# Altium PCB TIDA-01576_ADS8686S_ISO_Interface.PcbDoc (part 3 of 4)
Units mil, origin at the board's own origin, x right, y up, seen from the top; angles counter-clockwise.
Board outline 6102.36 x 3937.01 mil, 4 copper layers (Top Layer, VCC, GND, Bottom Layer), stack 61.6 mil thick; 358 components, 188 nets, 975 pads, 367 vias.
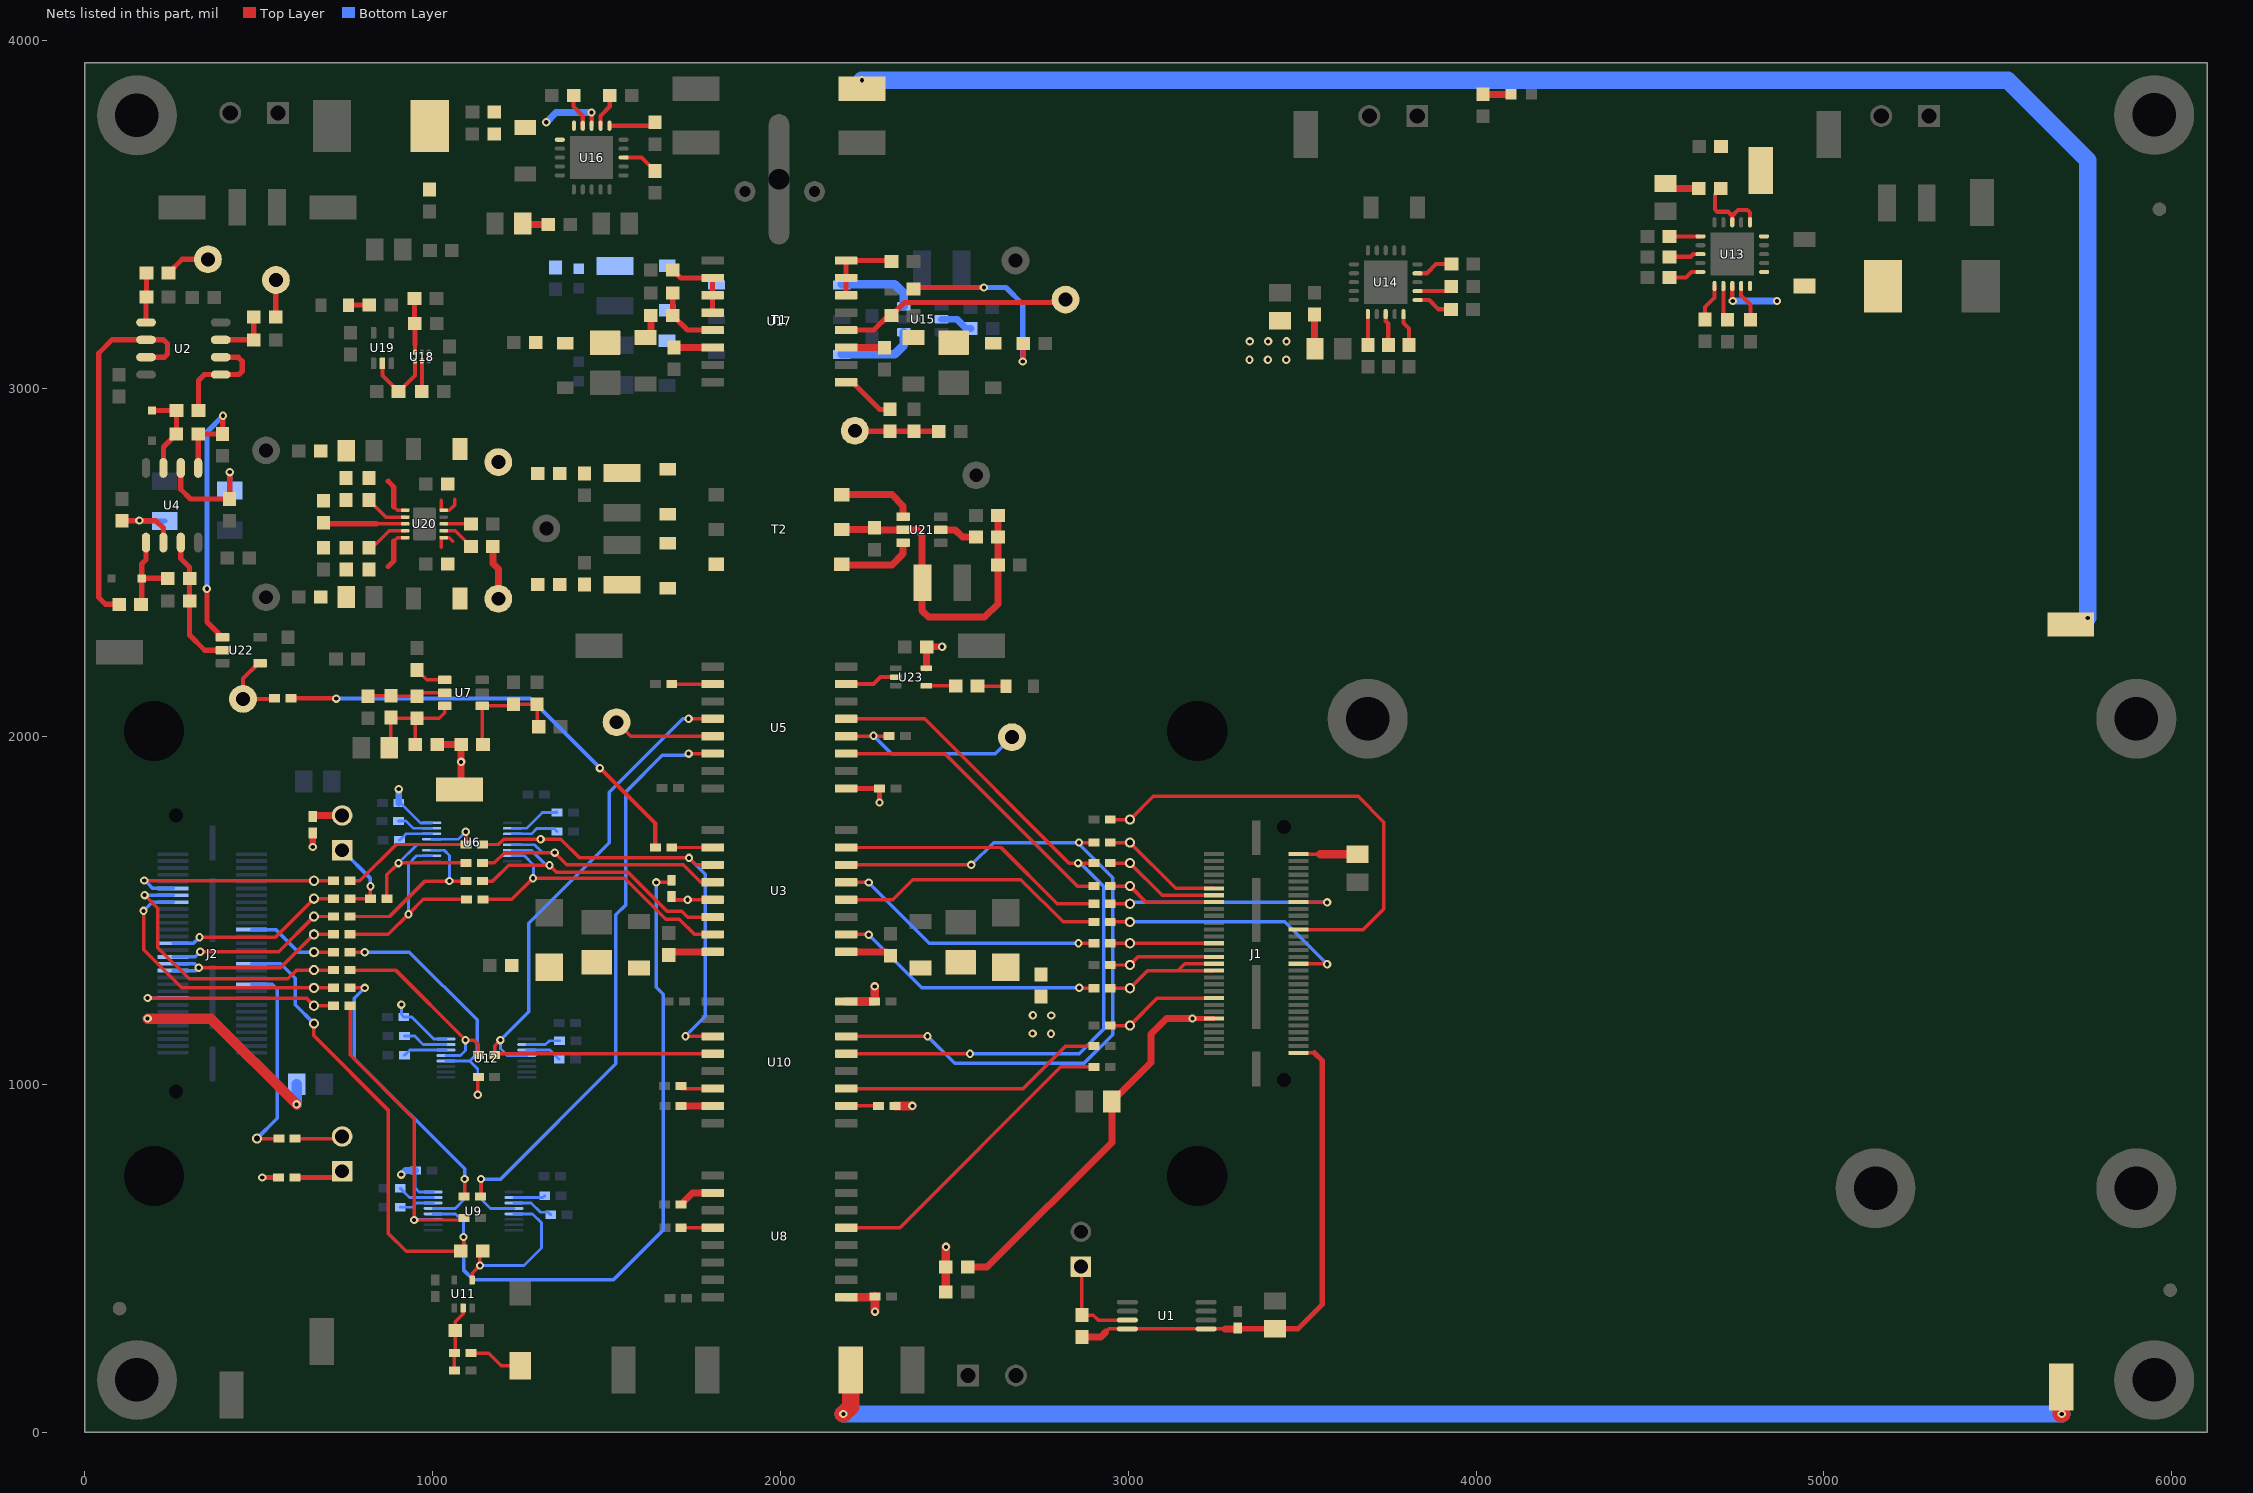
[diagram p5: the nets of this part, all layers, seen from the top]

## Via types
v1: diameter 24, hole 12, Top Layer to Bottom Layer, tented both sides, 348 vias
v2: diameter 19.68, hole 7.87, Top Layer to Bottom Layer, 19 vias

## Nets (pads, with @x,y where several pads share a name; then routed paths per layer and width w, separated by ;. In a path a pad name is that pad's centre, name@x,y a point inside that pad or via, vN(x,y) a via of type N, cw(c..) or ccw(c..) an arc to the next point about the centre after c; other vN are vias at no path point) (continued)
ISO_BUF_CSN: R30.1 U3.14 U6.6 | length 866.2
  Top Layer w10: R30.1@1143.62,1584.46 1173.52,1584.46 1218.81,1629.75 v1(1336.25,1629.75) 1357,1609 1563,1609 1674,1498 1716,1498 1733.19,1480.81 U3.14@1804.95,1480.81
  Bottom Layer w8: U6.6@1229.67,1672.88 1283.62,1672.88 1326.75,1629.75 v1(1336.25,1629.75)
ISO_BUF_SCLK: R29.1 U3.15 U6.7 | length 863.2
  Top Layer w10: R29.1@1144.56,1531.5 1227.75,1531.5 v1(1288.75,1592.5) 1552.5,1592.5 1670,1475 1709,1475 1753.19,1430.81 U3.15@1804.95,1430.81
  Bottom Layer w8: U6.7@1229.67,1657.13 1263.87,1657.13 1290.5,1630.5 1290.5,1594.25 v1(1288.75,1592.5)
ISO_BUF_SDI: R33.1 U5.14 U9.4 | length 1827.5
  Top Layer w10: R33.1@1139.37,677 v1(1139.37,727.63) ; v1(1736.19,1950.81) U5.14@1804.95,1950.81
  Bottom Layer w8: v1(1139.37,727.63) 1139.37,670.29 1166.54,643.12 U9.4@1233.92,643.12
  Bottom Layer w10: v1(1139.37,727.63) 1196,727.63 1527,1058.63 1527,1487 1556,1516 1556,1841.28 1660.72,1946 1731.38,1946 v1(1736.19,1950.81)
ISO_BUF_SDOA: R32.1 U3.11 U6.4 U10.3 | length 1414.7
  Top Layer w10: R32.1@1143.4,1689.43 1189.12,1689.43 1204.05,1704.37 v1(1310.63,1704.37) 1368.93,1704.37 1422.3,1651 v1(1737,1651) 1757.19,1630.81 U3.11@1804.95,1630.81 ; v1(1727,1138) 1805.76,1138 U10.3@1805.95,1137.81
  Bottom Layer w8: U6.4@1229.67,1704.37 v1(1310.63,1704.37)
  Bottom Layer w10: v1@1726,1138 1784,1196 1784,1604 v1(1737,1651)
ISO_BUF_SDOB: R37.1 U5.12 U10.4 U12.4 | length 2013.9
  Top Layer w10: v1(1195,1127) 1178.77,1110.77 R37.1@1178.77,1084 1182.58,1087.81 U10.4@1805.95,1087.81 ; v1(1736.19,2050.81) U5.12@1804.95,2050.81
  Bottom Layer w8: v1(1195,1127) 1195,1102.43 1214.55,1082.87 U12.4@1270.84,1082.87
  Bottom Layer w10: v1(1195,1127) 1277,1209 1277,1463 1508,1694 1508,1840 1718.81,2050.81 v1(1736.19,2050.81)
ISO_BUF_SRESETN: R96.1 U9.5 U11.4 | length 452
  Top Layer w10: U11.4@1113.5,437.5 1113.5,456.5 1136,479 v1(1136.24,479) R96.1@1136.24,520
  Bottom Layer w8: v1(1136.24,479) 1262.75,479 1313,529.25 1313,602 1287.63,627.37 U9.5@1233.92,627.37
ISO_BUF_SYSCLK: R31.1 U3.12 U6.5 | length 839.4
  Top Layer w10: R31.1@1143.74,1636.65 1177.65,1636.65 1207,1666 v1(1351,1666) 1386.19,1630.81 1721.19,1630.81 1771.19,1580.81 U3.12@1804.95,1580.81
  Bottom Layer w8: U6.5@1229.67,1688.63 1293.12,1688.63 1315.75,1666 v1(1351,1666)
ISO_BUSY: R16.1 R38.2 U12.12 | length 799.5
  Top Layer w10: R16.1@762.81,1379.86 v1(804.86,1379.86) ; v1(1129.7,970) 1129.7,1019.66 R38.2@1131.38,1021.34
  Bottom Layer w8: U12.12@1038.56,1067.13 1106.87,1067.13 ; 1128,1118 1128,1088.25 1106.87,1067.13 ; v1(1129.7,970) 1129.7,1044.3 1106.87,1067.13
  Bottom Layer w10: v1(804.86,1379.86) 933.14,1379.86 1128,1185 1128,1118
ISO_CONVST: R22.1 R34.2 U9.11 | length 894
  Top Layer w10: R22.1@762.81,1226 762.81,1084.93 947.41,900.33 947.41,610.22 v1(947,609.81) 1084.63,609.81 R34.2@1090.38,615.56
  Bottom Layer w8: v1(947,609.81) 948.81,611.63 U9.11@1001.64,611.63
ISO_CSN: R12.1 R30.2 U6.11 | length 506.4
  Top Layer w10: R12.1@762.81,1482.43 876.23,1482.43 978.26,1584.46 v1(1048.23,1584.46) R30.2@1096.38,1584.46
  Bottom Layer w8: U6.11@997.39,1672.88 1033.37,1672.88 1048.23,1658.02 v1(1048.23,1584.46)
ISO_DVDD: C4.1 C22.1 C29.1 C35.1 J2.50 R35.2 R36.2 R39.1 R41.1 TP8.1 U6.16 U9.16 U12.16 | length 1452.7
  Top Layer w15: v1(510,732) R36.2@556.76,732
  Top Layer w20: v1@605.38,945.96 v1(609,942.34) ; v1(655.39,1682.39) R35.2@655.39,1722.38 ; R41.1@1012.95,1977.55 R39.1@1082.03,1977.55 ; TP8.1@1077.75,1847.5 1082,1851.75 v1(1082,1927) R39.1@1082.03,1977.55
  Top Layer w30: v1(180.68,1189) 362.34,1189 v1(609,942.34)
  Bottom Layer w8: C22.1@902.7,1809 907.87,1809 965.26,1751.62 U6.16@997.39,1751.62 ; v1(910.25,1229) 910.25,1200.38 C35.1@917.13,1193.5 940.01,1193.5 1003.39,1130.12 U12.16@1038.56,1130.12 ; C29.1@951.16,752.25 949.97,751.06 949.97,701.13 960.73,690.37 U9.16@1001.64,690.37
  Bottom Layer w10: v1(180.68,1189) J2.50@254.21,1189
  Bottom Layer w20: C22.1@902.7,1809 v1(902.7,1848.67) ; v1(909.78,740.25) 921.78,752.25 C29.1@951.16,752.25
  Bottom Layer w30: v1(609,942.34) C4.1@609,1000
ISO_SCLK: R14.1 R29.2 U6.10 | length 597.2
  Top Layer w10: R14.1@762.81,1431.14 872.74,1431.14 v1(930.6,1489) 973.1,1531.5 R29.2@1097.32,1531.5
  Bottom Layer w8: v1(930.6,1489) 930.6,1633.6 954.13,1657.13 U6.10@997.39,1657.13
ISO_SDI: R20.1 R33.2 U9.13 | length 945.3
  Top Layer w10: R20.1@762.81,1277.29 v1(804.86,1277.29) ; R33.2@1092.13,677 v1(1092.13,727.63)
  Bottom Layer w8: U9.13@1001.64,643.12 1065.25,643.12 1092.13,670 v1(1092.13,727.63)
  Bottom Layer w10: v1(804.86,1277.29) 775,1247.43 775,1074 1092.13,756.87 v1(1092.13,727.63)
ISO_SDOA: R4.1 R32.2 U6.13 | length 520.3
  Top Layer w10: R4.1@762.81,1585 791,1585 895.43,1689.43 R32.2@1096.16,1689.43 1096.16,1724.96 v1(1095.12,1726)
  Bottom Layer w8: U6.13@997.39,1704.37 1073.49,1704.37 v1(1095.12,1726)
ISO_SDOB: R18.1 R37.2 U12.13 | length 579.6
  Top Layer w10: R18.1@762.81,1328.57 893.21,1328.57 v1(1094.78,1127) 1119,1127 1131.52,1114.48 R37.2@1131.52,1084
  Bottom Layer w8: U12.13@1038.56,1082.87 1080.03,1082.87 1094.78,1097.62 v1(1094.78,1127)
ISO_SRESETN: J2.33 R96.2 R98.2 TP44.1 U9.12 | length 3200.7
  Top Layer w10: TP44.1@658.91,1174.71 658.91,1139.09 871.85,926.15 871.85,572.15 924,520 R96.2@1081.13,520 1089,520 1089,559 v1@1087,561 ; v1(1643,1580.57) 1680.68,1580.57 R98.2@1686.73,1586.62
  Bottom Layer w8: U9.12@1001.64,627.37 1066.22,627.37 1089,604.59 v1(1089,561)
  Bottom Layer w10: J2.33@479.8,1346.48 563.52,1346.48 605.38,1304.62 605.38,1228.24 TP44.1@658.91,1174.71 ; v1(1089,561) 1089,466 1117,438 1520,438 1663,581 1663,1259 1643,1279 v1(1643,1580.57)
ISO_SYSCLK: R10.1 R31.2 U6.12 | length 428.1
  Top Layer w10: R10.1@868.62,1533.71 868.62,1602.62 v1(902,1636) 902.5,1636 903.15,1636.65 R31.2@1096.5,1636.65
  Bottom Layer w8: v1(902,1636) 954.63,1688.63 U6.12@997.39,1688.63
MUX2: R8.1 R26.1 U4.1 U22.1 | length 895.7
  Top Layer w15: U4.1@326,2772.13 326,2869.46 R8.1@326.38,2869.84 396.33,2869.84 R26.1@396.41,2869.77 396.41,2921.09 v1(397.31,2922) ; v1(351,2425) 351,2329.51 395.51,2285 U22.1@395.91,2285.4
  Bottom Layer w15: v1(351,2425) 351,2875.69 v1(397.31,2922)
MUX3: R84.1 R86.1 U4.7 U22.2 | length 389
  Top Layer w15: U4.7@276,2557.56 276,2512 301.38,2486.62 R84.1@301.38,2454.84 R86.1@301.38,2389.84 301.38,2291.62 345,2248 U22.2@395.91,2248
NetC8_2: C8.2 R82.2 U2.3 | length 161.2
  Top Layer w15: U2.3@390.77,3140.48 485.83,3140.48 C8.2@485.99,3140.32 R82.2@485.99,3206.19
NetC10_1: C10.1 C12.1 C15.1 D1.1 R24.1 U3.1 | length 129.7
  Top Layer w20: U3.1@2188.81,1380.81 2305.76,1380.81 C10.1@2314.76,1371.81
NetC13_1: C13.1 C14.1 C16.2 D2.1 R25.2 U3.16 | length 129.7
  Top Layer w20: C13.1@1679,1371.81 1688,1380.81 U3.16@1804.95,1380.81
NetC17_2: C17.2 R88.2 U2.5 | length 142.6
  Top Layer w15: U2.5@176.2,3190.48 176.2,3261.66 C17.2@177.64,3263.1 R88.2@177.64,3332.48
NetC21_2: C21.2 R39.2 R40.1 R42.1 U7.1 | length 337.9
  Top Layer w10: R39.2@1145.02,1977.55 1143.03,1979.54 U7.1@1143.03,2088.15 1227.14,2088.15 C21.2@1232,2093 R40.1@1300.87,2093 1300.87,2031.94 R42.1@1304.8,2028
NetC23_1: C23.1 C24.1 R41.2 R45.2 U7.6 | length 348.6
  Top Layer w10: C24.1@874.82,1967.55 879.82,1972.55 R45.2@879.82,2054.56 881.69,2052.69 C23.1@954.82,2052.69 ; R41.2@949.95,1977.55 949.95,2047.82 C23.1@954.82,2052.69 ; U7.6@1034.76,2088.15 1034.76,2067.76 1019.69,2052.69 C23.1@954.82,2052.69
NetC23_2: C23.2 R45.1 R48.2 U7.5 | length 225.6
  Top Layer w10: R48.2@814.82,2115.54 816.83,2117.55 R45.1@879.82,2117.55 881.69,2115.68 C23.2@954.82,2115.68 964.69,2125.55 U7.5@1034.76,2125.55
NetC25_1: C25.1 U7.4 | length 91.6
  Top Layer w10: C25.1@954.82,2191.19 983.06,2162.95 U7.4@1034.76,2162.95
NetC33_1: C33.1 R55.1 R56.1 U11.2 | length 190
  Top Layer w10: R55.1@1062.91,177.15 R56.1@1062.91,227.15 1064.92,229.16 C33.1@1064.92,292.15 1064.92,316.92 1087.91,339.91 U11.2@1087.91,356.79
NetC38_1: C38.1 D3.1 U13.13 U13.15 U13.16 | length 175.7
  Top Layer w12: U13.13@4736.8,3295.26 4736.8,3253.2 v1(4738,3252)
  Bottom Layer w12: v1(4865.22,3252) 4865.63,3252 v1@4868.66,3255.02
  Bottom Layer w20: v1(4738,3252) v1(4865.22,3252)
NetC39_1: C39.1 U13.14 | length 108.4
  Top Layer w12: U13.14@4762.39,3295.26 4762.39,3267.64 4788.8,3241.23 C39.1@4788.8,3197.79
NetC40_1: C40.1 R73.1 | length 101.7
  Top Layer w20: C40.1@4545,3590 4560,3575 R73.1@4640.5,3575
NetC42_1: C42.1 U14.14 | length 108.4
  Top Layer w12: U14.14@3831.9,3331.8 3859,3331.8 3885.41,3358.2 C42.1@3929.37,3358.2
NetC43_1: C43.1 R79.1 | length 98.9
  Top Layer w20: R79.1@3535.98,3213.26 3535.98,3115.76 C43.1@3536.98,3114.76
NetC48_1: C48.1 R130.2 R131.2 U16.13 U16.15 U16.16 | length 179.6
  Top Layer w12: v1(1457,3794) 1457,3789 1457.41,3788.59 U16.13@1457.41,3756.13
  Bottom Layer w20: v1(1327,3766) 1355,3794 v1(1457,3794)
NetC49_1: C49.1 U16.14 | length 97.9
  Top Layer w12: C49.1@1405.41,3843.09 1405.41,3810.98 1431.82,3784.57 U16.14@1431.82,3756.13
NetC50_1: C50.1 R92.1 | length 74.2
  Top Layer w20: C50.1@1259.41,3474.59 1262,3472 R92.1@1332.5,3472
NetC51_1: C51.1 C52.1 D7.1 R99.2
NetC55_2: C55.2 C56.1 C57.1 D8.1 R101.1 R109.2 U17.3 | length 665.5
  Top Layer w15: R109.2@2382.5,3286.63 2386.86,3291 v1(2585,3291) ; v1(2697,3078) 2698.5,3079.5 R101.1@2698.5,3130.38
  Top Layer w20: U17.3@2188.81,3118.44 2189.13,3118.13 C55.2@2300,3118.13
  Bottom Layer w15: v1(2585,3291) 2649,3291 2697,3243 v1(2697,3078)
NetC58_2: C58.2 C59.1 C60.2 D10.1 R102.1 R107.2 U17.14 | length 180.4
  Top Layer w20: C60.2@1612,3147.56 1627.5,3163.06 R107.2@1627.5,3210.63 ; C58.2@1694.08,3118.44 U17.14@1804.95,3118.44
NetC61_1: C61.1 U18.5 | length 89.2
  Top Layer w12: C61.1@968.76,2991.71 969.25,2992.2 U18.5@969.25,3080.71
NetC64_2: C64.2 C65.2 C66.2 R116.1 R119.1 T2.2 U21.2 | length 952.1
  Top Layer w20: T2.2@2176,2595.28 2265.5,2595.28 2266.5,2594.28 U21.2@2352.87,2594.28 2393.72,2594.28 2406.51,2581.49 2406.51,2362.49 2426,2343 2587,2343 2625.5,2381.5 R116.1@2625.5,2493.65 R119.1@2625.5,2573.56 C65.2@2625.5,2635.36
NetC67_2: C67.2 C68.1 R118.2 R124.1 TP26.1 U20.1 | length 218.6
  Top Layer w10: 1025.24,2543.88 1025.24,2565.35 U20.1@1031.78,2571.89 1048.23,2571.89 1058.39,2561.73
  Top Layer w20: R124.1@1173.16,2546.46 1173.16,2496.84 1189,2481 TP26.1@1189,2396
NetC69_1: C69.1 C70.1 R117.1 R120.2 U20.10 | length 117
  Top Layer w10: 888.39,2561.79 898.49,2571.89 U20.10@921.55,2571.89
  Top Layer w15: 872.39,2488.79 888.39,2504.79 888.39,2561.79
NetC69_2: C69.2 R120.1 R122.2 U20.9 | length 125
  Top Layer w10: R120.1@816.66,2542.95 826.61,2542.95 875.23,2591.57 U20.9@921.55,2591.57
NetC71_1: C71.1 C72.1 D12.1 R118.1
NetC73_1: C73.1 C74.1 R121.2 R126.1 U20.6 | length 117
  Top Layer w10: 888.39,2660.73 898.49,2650.63 U20.6@921.55,2650.63
  Top Layer w15: 872.39,2733.73 888.39,2717.73 888.39,2660.73
NetC73_2: C73.2 R121.1 R125.2 U20.7 | length 125.2
  Top Layer w10: R121.1@816.66,2679.96 865.68,2630.94 U20.7@921.55,2630.94
NetC75_1: C75.1 U20.3 | length 78.5
  Top Layer w10: U20.3@1031.78,2611.26 1109.97,2611.26 C75.1@1110.17,2611.46
NetC76_2: C76.2 C77.2 D13.2 R123.1
NetC78_2: C78.2 C79.1 R123.2 TP30.1 U20.5 | length 85
  Top Layer w10: 1025.24,2678.64 1025.24,2657.17 U20.5@1031.78,2650.63 1048.23,2650.63 1064.39,2666.79 1064.39,2681.73
NetD4_1: D4.1 R128.2
NetD5_1: D5.1 R8.2 R27.2 U4.3 | length 251.5
  Top Layer w15: D5.1@193,2936.94 263.8,2936.94 R27.2@263.87,2937 263.87,2870.32 R8.2@263.38,2869.84 226,2832.45 U4.3@226,2772.13
NetD6_1: D6.1 R84.2 R87.2 U4.5 | length 258.8
  Top Layer w15: R87.2@161.66,2380 163.47,2381.81 D6.1@163.47,2454 ; U4.5@176,2557.56 176,2508 163.47,2495.47 D6.1@163.47,2454 ; R84.2@238.38,2454.84 164.32,2454.84 D6.1@163.47,2454
NetD7_2: D7.2 D9.1 T1.6
NetD11_2: D11.2 R115.1 | length 60.1
  Top Layer w15: D11.2@758.37,3240 759.08,3240.71 R115.1@818.23,3240.71
NetD12_2: D12.2 D13.1 T2.6
NetD14_2: D14.2 R136.2 | length 82
  Top Layer w10: R136.2@2566.76,2144.85 2647.94,2144.85 D14.2@2648.07,2144.71
  Top Layer w12: D14.2@2648.07,2144.71 D14.2@2648.48,2144.3
NetJ1_12: J1.12 R15.2 TP15.1 | length 353.7
  Top Layer w10: R15.2@2948.37,1695 TP15.1@3005.03,1695 3136.83,1563.2 J1.12@3246.5,1563.2 ; R15.2@2949.05,1701.68 R15.2@2949.74,1701
NetJ1_14: J1.14 R17.2 TP16.1 | length 336.4
  Top Layer w10: R17.2@2948.37,1636 TP16.1@3005.03,1636 3097.53,1543.5 J1.14@3246.5,1543.5
NetJ1_15: J1.15 R67.2 TP36.1 | length 708.1
  Top Layer w10: R67.2@2948.37,1519 TP36.1@3005.03,1519 ; J1.15@3489.5,1523.8 3571.2,1523.8 v1(3572,1523)
  Bottom Layer w10: TP36.1@3005.03,1519 3009.03,1523 v1(3572,1523)
NetJ1_16: J1.16 R3.2 TP9.1 | length 317.3
  Top Layer w10: R3.2@2948.37,1570 TP9.1@3005.03,1570 3051.23,1523.8 J1.16@3246.5,1523.8
NetJ1_23: J1.23 R6.1 TP12.1 | length 1366.3
  Top Layer w10: R6.1@2948.37,1761 R6.1@2949.62,1761 ; R6.1@2950.62,1760 R6.1@2949.62,1761 ; J1.23@3489.5,1445 3675.9,1445 3735,1504.1 3735,1753.92 3660.92,1828 3072.03,1828 TP12.1@3005.03,1761 R6.1@2949.62,1761
NetJ1_28: J1.28 R11.2 TP13.1 | length 298.1
  Top Layer w10: R11.2@2948.37,1405.6 TP13.1@3005.03,1405.6 J1.28@3246.5,1405.6
NetJ1_32: J1.32 R7.2 TP11.1 | length 307.9
  Top Layer w10: R7.2@2948.37,1343 R7.2@2948.62,1343 ; R7.2@2948.74,1343.12 R7.2@2948.62,1343 ; J1.32@3246.5,1366.2 3028.23,1366.2 3005.03,1343 R7.2@2948.62,1343
NetJ1_33: J1.33 R28.2 TP37.1 | length 757.3
  Top Layer w10: R28.2@2948.37,1467 TP37.1@3005.03,1467 ; J1.33@3489.5,1346.5 3570.52,1346.5 v1(3572,1345.02)
  Bottom Layer w10: TP37.1@3005.03,1467 3450.02,1467 v1(3572,1345.02)
NetJ1_34: J1.34 J1.36 R9.2 TP14.1 | length 430.9
  Top Layer w10: R9.2@2948.37,1276.24 TP14.1@3005.03,1276.24 3055.6,1326.8 3142.8,1326.8 ; J1.36@3246.5,1326.8 3142.8,1326.8 ; J1.34@3246.5,1346.5 3162.5,1346.5 3142.8,1326.8
NetJ1_44: J1.44 R21.2 TP10.1 | length 330.9
  Top Layer w10: R21.2@2948.37,1169 TP10.1@3005.03,1169 3084.03,1248 J1.44@3246.5,1248
NetJ2_12: J2.12 R4.2 TP35.1 | length 626.4
  Top Layer w10: v1(171,1586) 172,1585 TP35.1@658.91,1585 R4.2@715.57,1585
  Bottom Layer w10: v1@179.54,1579.21 195.74,1563.02 J2.12@254.21,1563.02
NetJ2_14: J2.14 R18.2 TP38.1 | length 802.7
  Top Layer w10: v1(172,1544) 210,1506 210,1393 300,1303 584,1303 609.57,1328.57 TP38.1@658.91,1328.57 R18.2@715.57,1328.57
  Bottom Layer w10: v1(172,1544) 172.67,1543.33 J2.14@254.21,1543.33
NetJ2_16: J2.16 R20.2 TP39.1 | length 799.2
  Top Layer w10: v1(169,1498.68) 169,1387 278.71,1277.29 TP39.1@658.91,1277.29 R20.2@715.57,1277.29
  Bottom Layer w10: v1(169,1498.68) 193.97,1523.65 J2.16@254.21,1523.65
NetJ2_23: J2.23 R16.2 TP40.1 | length 262.7
  Top Layer w10: TP40.1@658.76,1380 658.91,1379.86 R16.2@715.57,1379.86
  Bottom Layer w10: J2.23@479.8,1444.91 549.49,1444.91 614.39,1380 TP40.1@658.76,1380
NetJ2_28: J2.28 R5.2 TP43.1 | length 514.5
  Top Layer w10: v1(330,1423) 548.19,1423 TP43.1@658.91,1533.71 R5.2@715.57,1533.71
  Bottom Layer w10: J2.28@254.21,1405.54 312.54,1405.54 v1(330,1423)
NetJ2_32: J2.32 R12.2 TP41.1 | length 509.5
  Top Layer w10: v1(332,1381) 557.48,1381 TP41.1@658.91,1482.43 R12.2@715.57,1482.43
  Bottom Layer w10: J2.32@254.21,1366.17 317.17,1366.17 v1(332,1381)
NetJ2_34: J2.34 J2.36 R14.2 TP42.1 | length 582.9
  Top Layer w10: v1(327.74,1335) 562.76,1335 TP42.1@658.91,1431.14 R14.2@715.57,1431.14
  Bottom Layer w10: J2.36@254.21,1326.8 319.54,1326.8 v1(327.74,1335) 316.26,1346.48 J2.34@254.21,1346.48
NetJ2_39: J2.39 R19.1 TP45.1 | length 580
  Top Layer w10: 510,844 R19.1@557.76,844
  Bottom Layer w10: J2.39@479.8,1287.43 539,1287.43 552.81,1273.61 552.81,901.81 TP45.1@495,844
NetJ2_44: J2.44 R22.2 TP46.1 | length 617.6
  Top Layer w10: v1(180.68,1248.06) 636.85,1248.06 TP46.1@658.91,1226 R22.2@715.57,1226
  Bottom Layer w10: v1(180.68,1248.06) J2.44@254.21,1248.06
NetJ8_1: J8.1 R36.1 | length 143.5
  Top Layer w15: R36.1@604,732 722,732 J8.1@740,750
NetJ8_2: J8.2 R19.2 | length 137.5
  Top Layer w10: R19.2@605,844 734,844 J8.2@740,850
NetJ9_1: J9.1 R5.1 R10.2 | length 231.6
  Top Layer w10: R5.1@762.81,1533.71 R10.2@821.38,1533.71 v1(821.38,1569.62)
  Bottom Layer w10: J9.1@740,1673 821.38,1591.62 v1(821.38,1569.62)
NetJ9_2: J9.2 R35.1 | length 86
  Top Layer w20: R35.1@655.39,1769.62 658.76,1773 J9.2@740,1773
NetLED1_1: LED1.1 R81.1 | length 80.5
  Top Layer w20: R81.1@4020,3846.5 LED1.1@4100.47,3846.5
NetR1_2: R1.2 U8.10 | length 105.9
  Top Layer w20: R1.2@1714,654.25 1747.56,687.81 U8.10@1805.95,687.81
NetR2_1: R2.1 R98.1 U3.13 | length 171.8
  Top Layer w10: R98.1@1686.73,1539.38 1695.3,1530.81 v1(1733.19,1530.81) U3.13@1804.95,1530.81
  Bottom Layer w10: R2.1@1686.73,1539.38 1695.3,1530.81 v1(1733.19,1530.81)
NetR13_1: R13.1 R83.2 U4.2 | length 342.8
  Top Layer w15: U4.2@276,2772.13 276,2711 304.01,2682.99 R13.1@416,2682.99 417,2683.99 v1(417,2760)
  Bottom Layer w15: R83.2@417,2707.35 v1(417,2760)
NetR27_1: R27.1 U2.1 U2.2 | length 318.9
  Top Layer w15: R27.1@326.86,2937 326.86,3023.58 343.75,3040.48 U2.1@390.77,3040.48 443.48,3040.48 452.43,3049.43 452.43,3079 440.95,3090.48 U2.2@390.77,3090.48
NetR43_2: R43.2 U6.15 | length 103.9
  Bottom Layer w8: R43.2@902.15,1756.68 923.82,1756.68 944.63,1735.87 U6.15@997.39,1735.87
NetR44_2: R44.2 U6.14 | length 100.1
  Bottom Layer w8: R44.2@904.91,1701.68 923.35,1720.12 U6.14@997.39,1720.12
NetR46_1: R46.1 U6.2 | length 150.6
  Bottom Layer w8: U6.2@1229.67,1735.87 1269.87,1735.87 1315.5,1781.5 R46.1@1358.07,1781.5 R46.1@1355.76,1783.81
NetR47_1: R47.1 U6.3 | length 138.5
  Bottom Layer w8: U6.3@1229.67,1720.12 1284.12,1720.12 1299.5,1735.5 1349.07,1735.5 R47.1@1358.07,1726.5
NetR49_2: R49.2 U8.5 | length 903.5
  Top Layer w10: U8.5@2189.87,587.75 U8.5@2189.81,587.81 2343.81,587.81 2806,1050 R49.2@2901.13,1050 R49.2@2901.76,1050
NetR50_1: R50.1 U8.12 | length 84
  Top Layer w10: R50.1@1721.99,588 1722.18,587.81 U8.12@1805.95,587.81
NetR51_2: R51.2 U9.15 | length 105.7
  Bottom Layer w8: R51.2@906.95,701.25 933.58,674.62 U9.15@1001.64,674.62
NetR52_2: R52.2 U9.14 | length 99.9
  Bottom Layer w8: R52.2@906.95,646.25 941.09,646.25 953.71,658.87 U9.14@1001.64,658.87
NetR53_1: R53.1 U9.2 | length 90.5
  Bottom Layer w8: U9.2@1233.92,674.62 1317.65,674.62 R53.1@1322.47,679.44
NetR54_2: R54.2 U9.3 | length 120
  Bottom Layer w8: U9.3@1233.92,658.87 1283.38,658.87 1310,632.25 1332.25,632.25 R54.2@1339.75,624.75
NetR56_2: R56.2 S1.2 | length 156.8
  Top Layer w10: R56.2@1110.15,227.15 1161.16,227.15 1197.46,190.85 S1.2@1251.91,190.85
NetR57_2: R57.2 U10.11 | length 762.6
  Top Layer w10: U10.11@2189.81,987.81 2698.81,987.81 2821,1110 R57.2@2901.13,1110 R57.2@2901.76,1110
NetR58_1: R58.1 U10.6 | length 91.1
  Top Layer w10: R58.1@1714.81,987.81 U10.6@1805.95,987.81
NetR59_1: R59.1 U10.10 | length 92.8
  Top Layer w10: U10.10@2189.81,937.81 R59.1@2282.57,937.81
NetR60_2: R60.2 U10.7 | length 91.1
  Top Layer w20: R60.2@1714.81,937.81 U10.7@1805.95,937.81
NetR61_2: R61.2 U12.15 | length 129.2
  Bottom Layer w8: R61.2@919.37,1138.5 948.7,1138.5 972.83,1114.37 U12.15@1038.56,1114.37
NetR62_2: R62.2 U12.14 | length 125.4
  Bottom Layer w8: R62.2@919.37,1083.5 934.49,1098.62 U12.14@1038.56,1098.62
NetR63_2: R63.2 U12.2 | length 98.4
  Bottom Layer w8: U12.2@1270.84,1114.37 1325,1114.37 1335.82,1125.19 R63.2@1364.76,1125.19
NetR64_2: R64.2 U12.3 | length 104.5
  Bottom Layer w8: U12.3@1270.84,1098.62 1337.26,1098.62 R64.2@1364.2,1071.69
NetR68_2: R68.2 U13.6 | length 75.1
  Top Layer w12: R68.2@4556.29,3437.55 R68.2@4556.72,3437.98 ; R68.2@4570.72,3437.98 U13.6@4645.26,3437.98
NetR69_2: R69.2 U13.8 | length 92.1
  Top Layer w12: R69.2@4556.29,3379.3 4617.3,3379.3 4624.8,3386.8 U13.8@4645.26,3386.8
NetR70_2: R70.2 U13.10 | length 95.4
  Top Layer w12: R70.2@4556.29,3320.05 4604.05,3320.05 4619.61,3335.61 U13.10@4645.26,3335.61
NetR71_2: R71.2 U13.11 | length 107.3
  Top Layer w12: R71.2@4658.8,3199.04 4658.8,3234.8 4685.61,3261.61 U13.11@4685.61,3295.26
NetR72_2: R72.2 U13.12 | length 102.4
  Top Layer w12: U13.12@4711.2,3295.26 4711.2,3210.63 R72.2@4723.8,3198.04
NetR73_2: R73.2 R127.2 TP21.1 U13.1 U13.3 U13.20 | length 232
  Top Layer w12: R73.2@4703.5,3575 4687,3558.5 4687,3515 4693.5,3508.5 4725.38,3508.5 4736.8,3497.09 ; U13.3@4736.8,3478.33 4736.8,3497.09 ; U13.1@4787.98,3478.33 4787.98,3506.02 4780,3514 4753.71,3514 4736.8,3497.09
NetR74_2: R74.2 U14.6 | length 74.5
  Top Layer w12: R74.2@3689.18,3140.13 U14.6@3689.18,3214.67
NetR75_2: R75.2 U14.8 | length 92.1
  Top Layer w12: U14.8@3740.36,3214.67 3740.36,3194.2 3747.86,3186.7 R75.2@3747.86,3125.7
NetR76_2: R76.2 U14.10 | length 95.4
  Top Layer w12: U14.10@3791.54,3214.67 3791.54,3189.02 3807.11,3173.45 R76.2@3807.11,3125.7
NetR77_2: R77.2 U14.11 | length 107.3
  Top Layer w12: U14.11@3831.9,3255.02 3865.54,3255.02 3892.36,3228.2 R77.2@3928.12,3228.2
NetR78_2: R78.2 U14.12 | length 102.4
  Top Layer w12: U14.12@3831.9,3280.61 3916.52,3280.61 R78.2@3929.12,3293.2
NetR82_1: R82.1 TP32.1 | length 106.5
  Top Layer w15: R82.1@548.98,3206.19 548.98,3311.98 TP32.1@549.49,3312.48
NetR85_1: R85.1 R95.2 U4.6 | length 242.6
  Top Layer w15: R85.1@107,2620 205,2620 226,2599 U4.6@226,2557.56
  Bottom Layer w15: v1(157,2621) 158.09,2619.91 R95.2@230,2619.91
NetR87_1: R87.1 U2.6 U2.7 | length 1082.5
  Top Layer w15: R87.1@98.67,2380 60,2380 40,2400 40,3102 78.48,3140.48 U2.6@176.2,3140.48 226.39,3140.48 237.87,3129 237.87,3099.43 228.91,3090.48 U2.7@176.2,3090.48
NetR88_1: R88.1 TP34.1 | length 129.7
  Top Layer w15: R88.1@240.64,3332.48 280.16,3372 TP34.1@354,3372
NetR89_2: R89.2 U16.8 | length 106.4
  Top Layer w12: U16.8@1548.94,3664.59 1600.91,3664.59 R89.2@1639.41,3626.09
NetR90_2: R90.2 U16.11 | length 134.9
  Top Layer w12: U16.11@1508.59,3756.13 1629.45,3756.13 R90.2@1639.41,3766.09
NetR91_2: R91.2 U16.12 | length 97.9
  Top Layer w12: U16.12@1483,3756.13 1483,3784.57 1509.41,3810.98 R91.2@1509.41,3843.09
NetR97_2: R97.2 TP33.1 U22.4 | length 217.1
  Top Layer w12: U22.4@504.18,2210.6 499.19,2210.6 455,2166.41 TP33.1@455,2108 543.38,2108 R97.2@545.38,2110
NetR100_2: R100.2 U15.5 | length 95.5
  Bottom Layer w20: U15.5@2463.13,3199.63 2507.37,3199.63 2534.27,3172.73 R100.2@2547.5,3172.73
NetR103_1: R103.1 R104.2 R105.2 TP17.1 | length 242.3
  Top Layer w15: TP17.1@2214,2879 2215.5,2877.5 R104.2@2315,2877.5 R105.2@2383.5,2877.5 2455,2877.5 R103.1@2455.5,2877
NetR104_1: R104.1 U17.1 | length 158.5
  Top Layer w15: U17.1@2188.81,3018.44 2207.56,3018.44 2285.5,2940.5 R104.1@2315,2940.5
NetR106_2: R106.2 R112.1 U18.3 | length 155.9
  Top Layer w12: U18.3@949.57,3104.33 949.57,3127
  Top Layer w15: R106.2@948.23,3259.71 948.23,3188.24 R112.1@948.76,3187.71 949.57,3186.9 949.57,3127
NetR107_1: R107.1 R111.2 U17.13 | length 195.9
  Top Layer w15: R111.2@1690.5,3274.63 R107.1@1690.5,3210.63 1732.69,3168.44 U17.13@1804.95,3168.44
NetR108_2: R108.2 U18.4 U19.2 | length 209.4
  Top Layer w12: U19.2@855.72,3072.71 855.72,3038.2 R108.2@902.22,2991.71 903.2,2991.71 949.57,3038.07 U18.4@949.57,3080.71
NetR110_2: R110.2 TP18.1 U17.4 | length 667.5
  Top Layer w15: U17.4@2188.81,3168.44 2268.44,3168.44 2310.63,3210.63 R110.2@2319.5,3210.63 2356.87,3248 2812,3248 TP18.1@2820,3256
NetR113_1: R113.1 U17.10 U17.11 U17.12 | length 224.1
  Top Layer w15: R113.1@1690.5,3341.63 1713.69,3318.44 U17.10@1804.95,3318.44 U17.11@1804.95,3268.44 U17.12@1804.95,3218.44
NetR114_1: R114.1 U17.6 U17.7 U17.8 | length 231.9
  Top Layer w15: U17.6@2188.81,3268.44 U17.7@2188.81,3318.44 U17.8@2188.81,3368.44 2316.69,3368.44 R114.1@2319.5,3365.63
NetR119_2: R119.2 U21.5 | length 110
  Top Layer w20: U21.5@2461.13,2594.28 2502.72,2594.28 2523.44,2573.56 R119.2@2562.5,2573.56
NetR124_2: R124.2 U20.2 | length 97.1
  Top Layer w10: U20.2@1031.78,2591.57 1065.05,2591.57 R124.2@1110.17,2546.46
NetR125_1: R125.1 U20.8 | length 236.4
  Top Layer w10: 838.39,2611.73 838.86,2611.26 U20.8@921.55,2611.26
  Top Layer w15: R125.1@686.66,2614.96 689.89,2611.73 838.39,2611.73
NetR132_1: R132.1 U3.10 | length 117.4
  Top Layer w10: R132.1@1687.62,1681 1687.81,1680.81 U3.10@1804.95,1680.81
NetR133_1: R133.1 U5.10 | length 117.4
  Top Layer w10: R133.1@1687.62,2151 1687.81,2150.81 U5.10@1804.95,2150.81
NetR135_2: R135.2 TP48.1 U5.4 | length 563.3
  Top Layer w10: U5.4@2188.81,2000.81 2312.19,2000.81 R135.2@2312.38,2001
  Bottom Layer w10: v1(2267.69,2001.9) 2319.59,1950 2618,1950 TP48.1@2666,1998
NetR136_1: R136.1 U23.4 | length 84.2
  Top Layer w10: U23.4@2419.77,2145.41 2503.21,2145.41 R136.1@2503.77,2144.85
NetT1_1: T1.1 U15.3 | length 226.9
  Bottom Layer w25: T1.1@2176.11,3300.53 2328.73,3300.53 2354.87,3274.4 U15.3@2354.87,3237.03
NetT1_3: T1.3 U15.1 | length 226.9
  Bottom Layer w25: T1.3@2176.11,3098.73 2328.73,3098.73 2354.87,3124.87 U15.1@2354.87,3162.23
NetT2_1: T2.1 U21.3 | length 221.6
  Top Layer w20: T2.1@2176,2493.28 2320.72,2493.28 2352.87,2525.42 U21.3@2352.87,2556.87
NetT2_3: T2.3 U21.1 | length 221.6
  Top Layer w20: T2.3@2176,2695.28 2320.72,2695.28 2352.87,2663.13 U21.1@2352.87,2631.68
NetTP47_1: TP47.1 U5.13 | length 292.6
  Top Layer w10: TP47.1@1529,2041 1569.19,2000.81 U5.13@1804.95,2000.81
NetU5_7: U5.7 U23.2 | length 150.7
  Top Layer w12: U5.7@2188.81,2150.81 2267.69,2150.81 2287.88,2171 U23.2@2331.19,2171
NON-ISO_3P3V: C18.2 C26.2 C32.1 C81.1 R24.2 R59.2 R65.1 R66.1 R80.1 U5.1 U8.1 U10.16 U23.5 | length 674
  Top Layer w15: U5.1@2188.81,1850.81 C18.2@2284.88,1850.81 v1(2284.88,1810)
  Top Layer w20: U23.5@2419.77,2196.59 2419.77,2257.27 C81.1@2420.5,2258 v1(2465,2258)
  Top Layer w25: U8.1@2189.81,387.81 2270.19,387.81 C26.2@2272.19,389.81 v1(2272.19,346.31) ; U10.16@2189.81,1237.81 C32.1@2271.19,1237.81 2271.19,1281.19 v1(2271.5,1281.5) ; R59.2@2329.81,937.81 2379.31,937.81 v1(2379.5,938) ; R66.1@2475.5,403.5 R65.1@2475.5,474.5 2475.5,532 v1(2476,532.5)
  other v1: 2777.83,1145.25 2725.08,1146 2778.58,1198 2725.83,1198.75 3348.75,3083.25 3401.5,3083.25 3454.25,3083.25 3349.5,3136 3402.25,3136 3455,3136
PGND1: TP49.1 TP55.1 | length 4936.1
  Bottom Layer w50: v1(2234.18,3887) 5529,3887 5759,3657 v1(5759,2341)
PGND2: TP50.1 TP56.1 | length 3715.1
  Top Layer w50: v1(2181,52) 2202,73 TP50.1@2202,178 ; TP56.1@5683,129 5683,53 v1(5684,52)
  Bottom Layer w50: v1(2181,52) v1(5684,52)
PHI_DVDD: C3.1 J1.50 R65.2 | length 1120.6
  Top Layer w15: v1(3185,1189) 3185.1,1188.9 J1.50@3246.5,1188.9
  Top Layer w20: R65.2@2538.5,474.5 2594.5,474.5 2953.25,833.25 C3.1@2953.25,950.5 3066,1063.25 3066,1145 3110,1189 v1(3185,1189)
PHI_ID_PWR: C5.1 C6.2 J1.59 R23.2 U1.1 U1.8 | length 1509
  Top Layer w10: 2935.5,287.46 2944.61,296.57 U1.8@2997.54,296.57 U1.1@3223.92,296.57 3278.68,296.57 ; J1.59@3489.5,1090.4 3535.6,1090.4
  Top Layer w15: C6.2@3312.34,296.57 3312.77,297 C5.1@3422.5,297 3488,297 3558,367 3558,1068 3535.6,1090.4
  Top Layer w20: R23.2@2866.5,273.5 2866.95,273.96 2922,273.96 2935.5,287.46 ; 3278.68,296.57 C6.2@3312.34,296.57
PHI_REG_5V5: C1.1 J1.1 | length 169.8
  Top Layer w10: J1.1@3489.5,1661.7 3552,1661.7 ; C1.1@3658.3,1661.7 C1.1@3659,1661
  Top Layer w25: 3552,1661.7 C1.1@3658.3,1661.7
SCLK: R9.1 U3.2 | length 780.1
  Top Layer w10: U3.2@2188.81,1430.81 2253.19,1430.81 v1(2254,1430) ; v1(2859.09,1277.34) 2860.19,1276.24 R9.1@2899.1,1276.24 ; R9.1@2901.13,1276.24 R9.1@2899.1,1276.24 ; R9.1@2901.76,1276.24 2900.43,1274.91 R9.1@2899.1,1276.24
  Bottom Layer w10: v1(2254,1430) 2406.66,1277.34 v1(2859.09,1277.34)
SDI: R3.1 U5.3 | length 870.1
  Top Layer w10: U5.3@2188.81,1950.81 2473.19,1950.81 2854,1570 R3.1@2901.13,1570
SDOA: R15.1 U3.6 U10.14 | length 2163
  Top Layer w10: U3.6@2188.81,1630.81 v1(2548.81,1630.81) ; U10.14@2189.81,1137.81 2190,1138 v1(2423,1138) ; v1(2858.36,1695) R15.1@2901.13,1695 ; R15.1@2901.47,1695.34 R15.1@2901.81,1695
  Bottom Layer w10: v1(2423,1138) 2501,1060 2873,1060 2956,1143 2956,1594.39 2855.39,1695 2613,1695 v1(2548.81,1630.81)
SDOB: R17.1 U5.5 U10.13 | length 2166.9
  Top Layer w10: U5.5@2188.81,2050.81 2415.1,2050.81 2824.16,1641.76 2829.92,1636 v1(2856,1636) 2862.76,1636 R17.1@2901.13,1636 ; U10.13@2189.81,1087.81 2190,1088 v1(2545,1088) ; R17.1@2901.21,1641.76 R17.1@2901.81,1641.16 ; R17.1@2901.47,1636.34 R17.1@2901.81,1636
  Bottom Layer w10: v1(2545,1088) 2858.62,1088 2858.81,1087.81 2930,1159 2930,1568.76 2862.76,1636 v1(2856,1636)
SRESETn: R28.1 U3.4 | length 786.9
  Top Layer w10: U3.4@2188.81,1530.81 2322.81,1530.81 2380.65,1588.65 2691.16,1588.65 2812.81,1467 R28.1@2901.13,1467 R28.1@2901.38,1467
SYSCLK: R11.1 U3.5 | length 783.7
  Top Layer w10: U3.5@2188.81,1580.81 v1@2253.19,1580.81 ; v1(2857,1405.6) R11.1@2901.13,1405.6
  Bottom Layer w10: v1(2254,1580) 2428.4,1405.6 v1(2857,1405.6)
WP: J3.1 R23.1 U1.7 | length 277.5
  Top Layer w10: J3.1@2864.05,476 2866.5,473.55 R23.1@2866.5,336.5 2899.5,336.5 2913.84,322.16 U1.7@2997.54,322.16
ZCD_OUT: R67.1 U3.7 | length 779.6
  Top Layer w10: U3.7@2188.81,1680.81 2634.19,1680.81 2796,1519 R67.1@2901.13,1519 R67.1@2901.38,1519
ZCD_OUT_I: R97.1 R132.2 | length 1265.7
  Top Layer w12: R97.1@592.62,2110 720,2110 721,2109 v1(723,2109) ; v1(1481,1909) 1640.38,1749.62 R132.2@1640.38,1681
  Bottom Layer w12: v1(723,2109) 1281,2109 v1(1481,1909)
pads on no net: FID1.1 FID2.1 FID3.1 FID4.1 FID5.1 FID6.1 H1.1 H2.1 H3.1 H4.1 H5.1 H6.1 H7.1 H8.1 H21. H22. H23. H24. J1.2 J1.4 J1.5 J1.6 J1.7 J1.8 J1.9 J1.10 J1.11 J1.13 J1.17 J1.18 J1.19 J1.20 J1.21 J1.22 J1.24 J1.25 J1.26 J1.27 J1.29 J1.30 J1.31 J1.35 J1.37 J1.38 J1.39 J1.40 J1.41 J1.42 J1.43 J1.45 J1.46 J1.47 J1.48 J1.49 J1.51 J1.52 J1.53 J1.54 J1.55 J1.57 J1.MH1 J1.MH2 J2.2 J2.3 J2.4 J2.5 J2.6 J2.7 J2.8 J2.9 J2.10 J2.11 J2.13 J2.15 J2.17 J2.18 J2.19 J2.20 J2.21 J2.22 J2.24 J2.25 J2.26 J2.27 J2.29 J2.30 J2.31 J2.35 J2.37 J2.38 J2.40 J2.41 J2.42 J2.43 J2.45 J2.46 J2.47 J2.48 J2.49 J2.51 J2.52 J2.53 J2.54 J2.55 J2.56 J2.57 J2.58 J2.59 J2.60 J2.MH1 J2.MH2 T1.5 T2.5 U8.3 U8.4 U8.6 U8.7 U8.11 U8.13 U8.14 U9.7 U9.10 U10.5 U10.12 U11.1 U12.6 U12.7 U12.10 U12.11 U13.2 U13.4 U13.5 U13.9 U13.17 U13.18 U13.19 U14.2 U14.4 U14.5 U14.9 U14.17 U14.18 U14.19 U16.2 U16.4 U16.5 U16.6 U16.9 U16.10 U16.17 U16.18 U16.19 U20.11@966.82,2551.02 U20.11@966.82,2671.5 U20.11@976.66,2586.46 U20.11@976.66,2636.06 U20.11@986.51,2551.02 U20.11@986.51,2671.5 U23.1

## Polygon pours and split planes (outlines as drawn)
+12V on Top Layer "TOP_LAYER_+12V_P230" (solid, remove dead copper, pour order 230): 311,2509.86 326.86,2494 371,2494 379,2486 379,2368 390,2357 553,2357 561,2365 561,2434 549,2446 453,2446 437,2462 437,2637 432,2642 396.04,2642 392,2637.96 392,2564.78 383,2555.78 347.62,2555.78 345,2558.4 345,2583 341,2587 314,2587 311,2584
IGND on Top Layer "TOP_LAYER_IGND_P228" (solid, remove dead copper, pour order 228): 1460,2713 1501,2672 1592.26,2672 1597.98,2666.29 1597.98,2528 1591.15,2521 1510,2521 1468,2479 1293,2479 1271,2501 1271,2697 1287,2713
NetC76_2 on Top Layer "TOP_LAYER_NETC76_2_P226" (solid, remove dead copper, pour order 226): 1368,2732 1352,2732 1346,2738 1346,2806 1359,2819 1708.5,2819 1716.5,2811 1716.5,2740.5 1708,2732
NetC71_1 on Top Layer "TOP_LAYER_NETC71_1_P224" (solid, remove dead copper, pour order 224): 1347,2458 1344,2455 1344,2376 1353,2367 1707,2367 1715,2374 1715,2444.05 1710.05,2449 1618,2449 1609,2458
NetD12_2 on Top Layer "TOP_LAYER_NETD12_2_P222" (solid, remove dead copper, pour order 222): 1638.13,2663.17 1633,2658.04 1633,2533.42 1693.42,2473 1837,2473 1838,2474 1838,2525 1829.58,2533.42 1756.82,2533.42 1718.96,2571.28 1718.96,2659.21 1715,2663.17
ISO_5V5 on Top Layer "TOP_LAYER_ISO_5V5_P220" (solid, remove dead copper, pour order 220): 679,3429.2 679,3435.45 688.95,3445.41 856.59,3445.41 862.59,3439.41 862.59,3356.98 859.59,3353.98 689.02,3353.98 679,3364
+5.4V_I on Top Layer "TOP_LAYER_+5.4V_I_P218" (solid, remove dead copper, pour order 218): 1140,3187.75 1165,3162.75 1165,3108 1172,3101 1245,3101 1255,3111 1255,3279 1107.46,3426.54 1036.54,3426.54 1033,3423 1033,3306 1021,3294 997.85,3294 989.85,3286 989.85,3235.15 995,3230 1097.75,3230
IGND on Top Layer "TOP_LAYER_IGND_P216" (solid, remove dead copper, pour order 216): 1832.68,3078.31 1839,3072 1839,2943 1825,2929 1695,2929 1314,2929 1306.08,2936.92 1306.08,3052.32 1317.08,3063.31 1638.08,3063.31 1653.08,3078.31
NetC58_2 on Top Layer "TOP_LAYER_NETC58_2_P214" (solid, remove dead copper, pour order 214): 1730.63,3130.93 1730.63,3098.86 1727.76,3096 1280.6,3096 1274.76,3101.84 1274.76,3159 1289.76,3174 1638.76,3174 1646.76,3166 1646.76,3151 1659.76,3138 1723.56,3138
GND on Top Layer "TOP_LAYER_GND_P212" (solid, remove dead copper, pour order 212): 2272.81,3000.19 2286,2987 2432,2987 2480,2939 2682,2939 2688,2945 2688,3052 2677,3063 2356,3063 2341,3078 2276.81,3078 2272.81,3074
NetC55_2 on Top Layer "TOP_LAYER_NETC55_2_P210" (solid, remove dead copper, pour order 210): 2263.14,3130.93 2263.14,3098.86 2266,3096 2713.16,3096 2719,3101.84 2719,3159 2704,3174 2355,3174 2347,3166 2347,3151 2334,3138 2270.2,3138
IGND on Top Layer "TOP_LAYER_IGND_P198" (solid, remove dead copper, pour order 198): 466,3819 458,3827 375.17,3827 364,3815.83 364,3597 348,3581 166,3581 161,3576 161,3472.52 173.55,3459.97 460.97,3459.97 466,3465
+5.4V on Top Layer "TOP_LAYER_+5.4V_P196" (solid, remove dead copper, pour order 196): 1056.5,3530 1073,3546.5 1073,3744.97 1080.03,3752 1136,3752 1136,3472 1122,3458 1021.7,3458 1012,3448.3 1012,3366.59 1009.41,3364 892.39,3364 888.39,3368 888.39,3517.39 901,3530
+6V_PH on Top Layer "TOP_LAYER_+6V_PH_P194" (solid, remove dead copper, pour order 194): 1073.64,3772.36 1069,3777 1069,3854 1072,3857 1132.5,3857 1136.5,3853 1136.5,3779 1129.86,3772.36
ISO_3P3V on Top Layer "TOP_LAYER_ISO_3P3V_P192" (solid, remove dead copper, pour order 192): 1720,3445.8 1720,3439.55 1710.05,3429.59 1542.41,3429.59 1536.41,3435.59 1536.41,3518.02 1539.41,3521.02 1709.98,3521.02 1720,3511
ISO_+3.3V on Top Layer "TOP_LAYER_ISO_+3.3V_P190" (solid, remove dead copper, pour order 190): 1379.5,3621 1334,3621 1327,3614 1327,3555.07 1368,3514.07 1368,3436.21 1374.73,3429.47 1503.88,3429.47 1509,3434.59 1509,3580 1500,3589 1379.5,3589
NetC48_1 on Top Layer "TOP_LAYER_NETC48_1_P188" (solid, remove dead copper, pour order 188): 1156,3819 1164.13,3827.13 1202.87,3827.13 1244,3786 1395.59,3786 1414.2,3767.39 1414.2,3743.39 1411.2,3740.39 1384.2,3740.39 1381.2,3737.39 1381.2,3713.39 1377.27,3709.45 1160.55,3709.45 1156,3714
NetD4_1 on Top Layer "TOP_LAYER_NETD4_1_P186" (solid, remove dead copper, pour order 186): 1047,3840.5 1041,3846.5 941,3846.5 935,3840.5 935,3563 947,3551 1039,3551 1047,3559
ISO_+6V on Top Layer "TOP_LAYER_ISO_+6V_P184" (solid, remove dead copper, pour order 184): 513,3463 519,3457 778,3457 784,3463 784,3828 778,3834 655,3834 650,3829 650,3610 633,3593 603.98,3593 596,3600.98 596,3825.62 592.62,3829 518,3829 513,3824
+5V_CNTL on Top Layer "TOP_LAYER_+5V_CNTL_P182" (solid, remove dead copper, pour order 182): 4662,3644 4654,3636 4347,3636 4248,3537 3941.91,3537 3880.91,3476 3787.27,3476 3787.27,3694 3885,3694 3943,3636 4189,3636 4293,3740 4656,3740 4662,3734
GND on Top Layer "TOP_LAYER_GND_P180" (solid, remove dead copper, pour order 180): 3458,3639.03 3604.51,3492.52 3723.67,3492.52 3730.51,3499.36 3730.51,3806.49 3718,3819 3473,3819 3458,3804
NON-ISO_3P3V on Top Layer "TOP_LAYER_NON-ISO_3P3V_P178" (solid, remove dead copper, pour order 178): 3326.56,3224 3321,3218.44 3321,3069 3330,3060 3474.56,3060 3483,3068.44 3483,3221 3480,3224
+3.3VDC on Top Layer "TOP_LAYER_+3.3VDC_P176" (solid, remove dead copper, pour order 176): 3395.16,3251.41 3387.16,3259.41 3387.16,3434.41 3406.16,3453.41 3686.16,3453.41 3694.16,3445.41 3694.16,3382.41 3692.16,3380.41 3666.16,3380.41 3662.16,3376.41 3662.16,3268.35 3645.21,3251.41
+5V_CNTL on Top Layer "TOP_LAYER_+5V_CNTL_P174" (solid, remove dead copper, pour order 174): 3785.22,3624.35 3785.22,3802.22 3800.41,3817.41 3901.03,3817.41 3918.03,3800.41 3918.03,3424.28 3843.16,3349.41 3819.16,3349.41 3816.16,3352.41 3816.16,3379.41 3813.16,3382.41 3789.16,3382.41 3785.22,3386.35
GND on Top Layer "TOP_LAYER_GND_P172" (solid, remove dead copper, pour order 172): 5212,3482 5193,3463 5100,3463 5038,3401 4918.84,3401 4912,3407.84 4912,3800 4930,3818 5193,3818 5212,3799
NetR73_2 on Top Layer "TOP_LAYER_NETR73_2_P170" (solid, remove dead copper, pour order 170): 4682,3732 4690,3740 4865,3740 4884,3721 4884,3441 4876,3433 4813,3433 4811,3435 4811,3461 4807,3465 4698.94,3465 4682,3481.94
NetC38_1 on Top Layer "TOP_LAYER_NETC38_1_P168" (solid, remove dead copper, pour order 168): 5054.94,3341.94 5089,3376 5231,3376 5248,3359 5248,3226.13 5231,3209.13 4854.87,3209.13 4780,3284 4780,3308 4783,3311 4810,3311 4813,3314 4813,3338 4816.94,3341.94
+12VDC on Top Layer "TOP_LAYER_+12VDC_P164" (solid, remove dead copper, pour order 164): 5269,3476 5371.9,3373.1 5371.9,3194.1 5391.58,3174.42 5529.42,3174.42 5544,3189 5544,3806 5525,3825 5275,3825 5269,3819
NON-ISO_3P3V on Top Layer "TOP_LAYER_NON-ISO_3P3V_P162" (solid, remove dead copper, pour order 162): 2787.7,1272 2795.58,1264.12 2795.58,1130.43 2789.58,1124.43 2703.62,1124.43 2697.58,1130.47 2697.58,1268.58 2701,1272
GND on Top Layer "TOP_LAYER_GND_P160" (solid, remove dead copper, pour order 160): 2711.06,1414.7 2718.06,1421.7 2718.06,1546.91 2704.06,1560.91 2397.26,1560.9 2362.06,1525.7 2362.06,1483.7 2350.06,1471.7 2292.38,1471.7 2284.06,1463.39 2284.06,1419.16 2288.52,1414.7
NetC10_1 on Top Layer "TOP_LAYER_NETC10_1_P158" (solid, remove dead copper, pour order 158): 2775.76,1393 2786.76,1382 2786.76,1300 2779.76,1293 2314.76,1293 2283.76,1324 2163.76,1324 2154.76,1333 2154.76,1389 2158.76,1393
IGND on Top Layer "TOP_LAYER_IGND_P156" (solid, remove dead copper, pour order 156): 1285,1417 1278,1424 1278,1549.2 1292,1563.2 1552.8,1563.2 1652.71,1463.29 1691.71,1463.29 1702,1453 1702,1420 1699,1417
ISO_3P3V on Top Layer "TOP_LAYER_ISO_3P3V_P154" (solid, remove dead copper, pour order 154): 1187,1301 1181,1295 1042.43,1295 1036.43,1301 1036.43,1386.96 1042.47,1393 1182.35,1393 1187,1388.35
NetC13_1 on Top Layer "TOP_LAYER_NETC13_1_P152" (solid, remove dead copper, pour order 152): 1218,1393 1207,1382 1207,1300 1214,1293 1679,1293 1710,1324 1830,1324 1839,1333 1839,1389 1835,1393
AGND on Top Layer "dg" (solid, remove dead copper, pour order 150): 803.39,2819.73 803.39,2880.73 811.39,2888.73 975.39,2888.73 983.39,2880.73 983.39,2774.73 1000.39,2757.73 1000.39,2460.73 991.39,2451.73 991.39,2338.73 985.39,2332.73 810.39,2332.73 801.39,2341.73 801.39,2425.73 810.39,2434.73 894.39,2434.73 943.37,2483.72 943.37,2563.2 943.37,2741.83 920.46,2764.73 899.46,2785.73 838.39,2785.73 809.39,2785.73 803.39,2791.73
NetC69_2 on Top Layer "dg" (solid, remove dead copper, pour order 148): 736.39,2522.18 848.83,2522.18 855.39,2528.73 855.39,2562.3 845.21,2572.48 723.12,2572.48 664.42,2572.48 658.12,2566.18 658.12,2526 661.94,2522.18
NetC69_1 on Top Layer "dg" (solid, remove dead copper, pour order 146): 655.39,2421.18 655.39,2367.18 662.39,2360.18 772.39,2360.18 779.39,2367.18 779.39,2449.54 785.57,2455.73 884.94,2455.73 888.64,2459.43 888.64,2493.92 881.59,2500.97 731.88,2501.14 723.19,2492.46 723.19,2442.53 715.87,2435.22 665.87,2435.22 655.39,2424.73
NetC73_2 on Top Layer "dg" (solid, remove dead copper, pour order 144): 736.39,2700.73 851.39,2700.73 855.39,2696.73 855.39,2649.73 844.39,2638.73 734.82,2638.73 723.12,2650.43 664.42,2650.43 658.12,2656.73 658.12,2691.47 667.39,2700.73
NetC73_1 on Top Layer "dg" (solid, remove dead copper, pour order 142): 655.39,2801.73 655.39,2855.73 662.39,2862.73 772.39,2862.73 779.39,2855.73 779.39,2781.22 788.12,2772.48 878.53,2772.48 888.64,2762.37 888.64,2729 881.59,2721.94 664.43,2721.69 655.39,2730.73